# Altium PCB KlusterLab r2.0.PcbDoc (part 16 of 22)
Units mm, origin at the board's own origin, x right, y up, seen from the top; angles counter-clockwise.
Board outline 232 x 250 mm, 12 copper layers (L1 Top, L2 Inner1 (GND), L3 Inner2 (Sig), L4 Inner3 (GND), L5 Inner4 (PWR), L6 Inner5 (PWR), L7 Inner6 (PWR), L8 Inner7 (PWR), L9 Inner8 (GND), L10 Inner9 (Sig), L11 Inner10 (GND), L12 Bottom), stack 1.614 mm thick; 1169 components, 852 nets, 4679 pads, 5115 vias.
Unrouted connection lines stored in the file: 1.
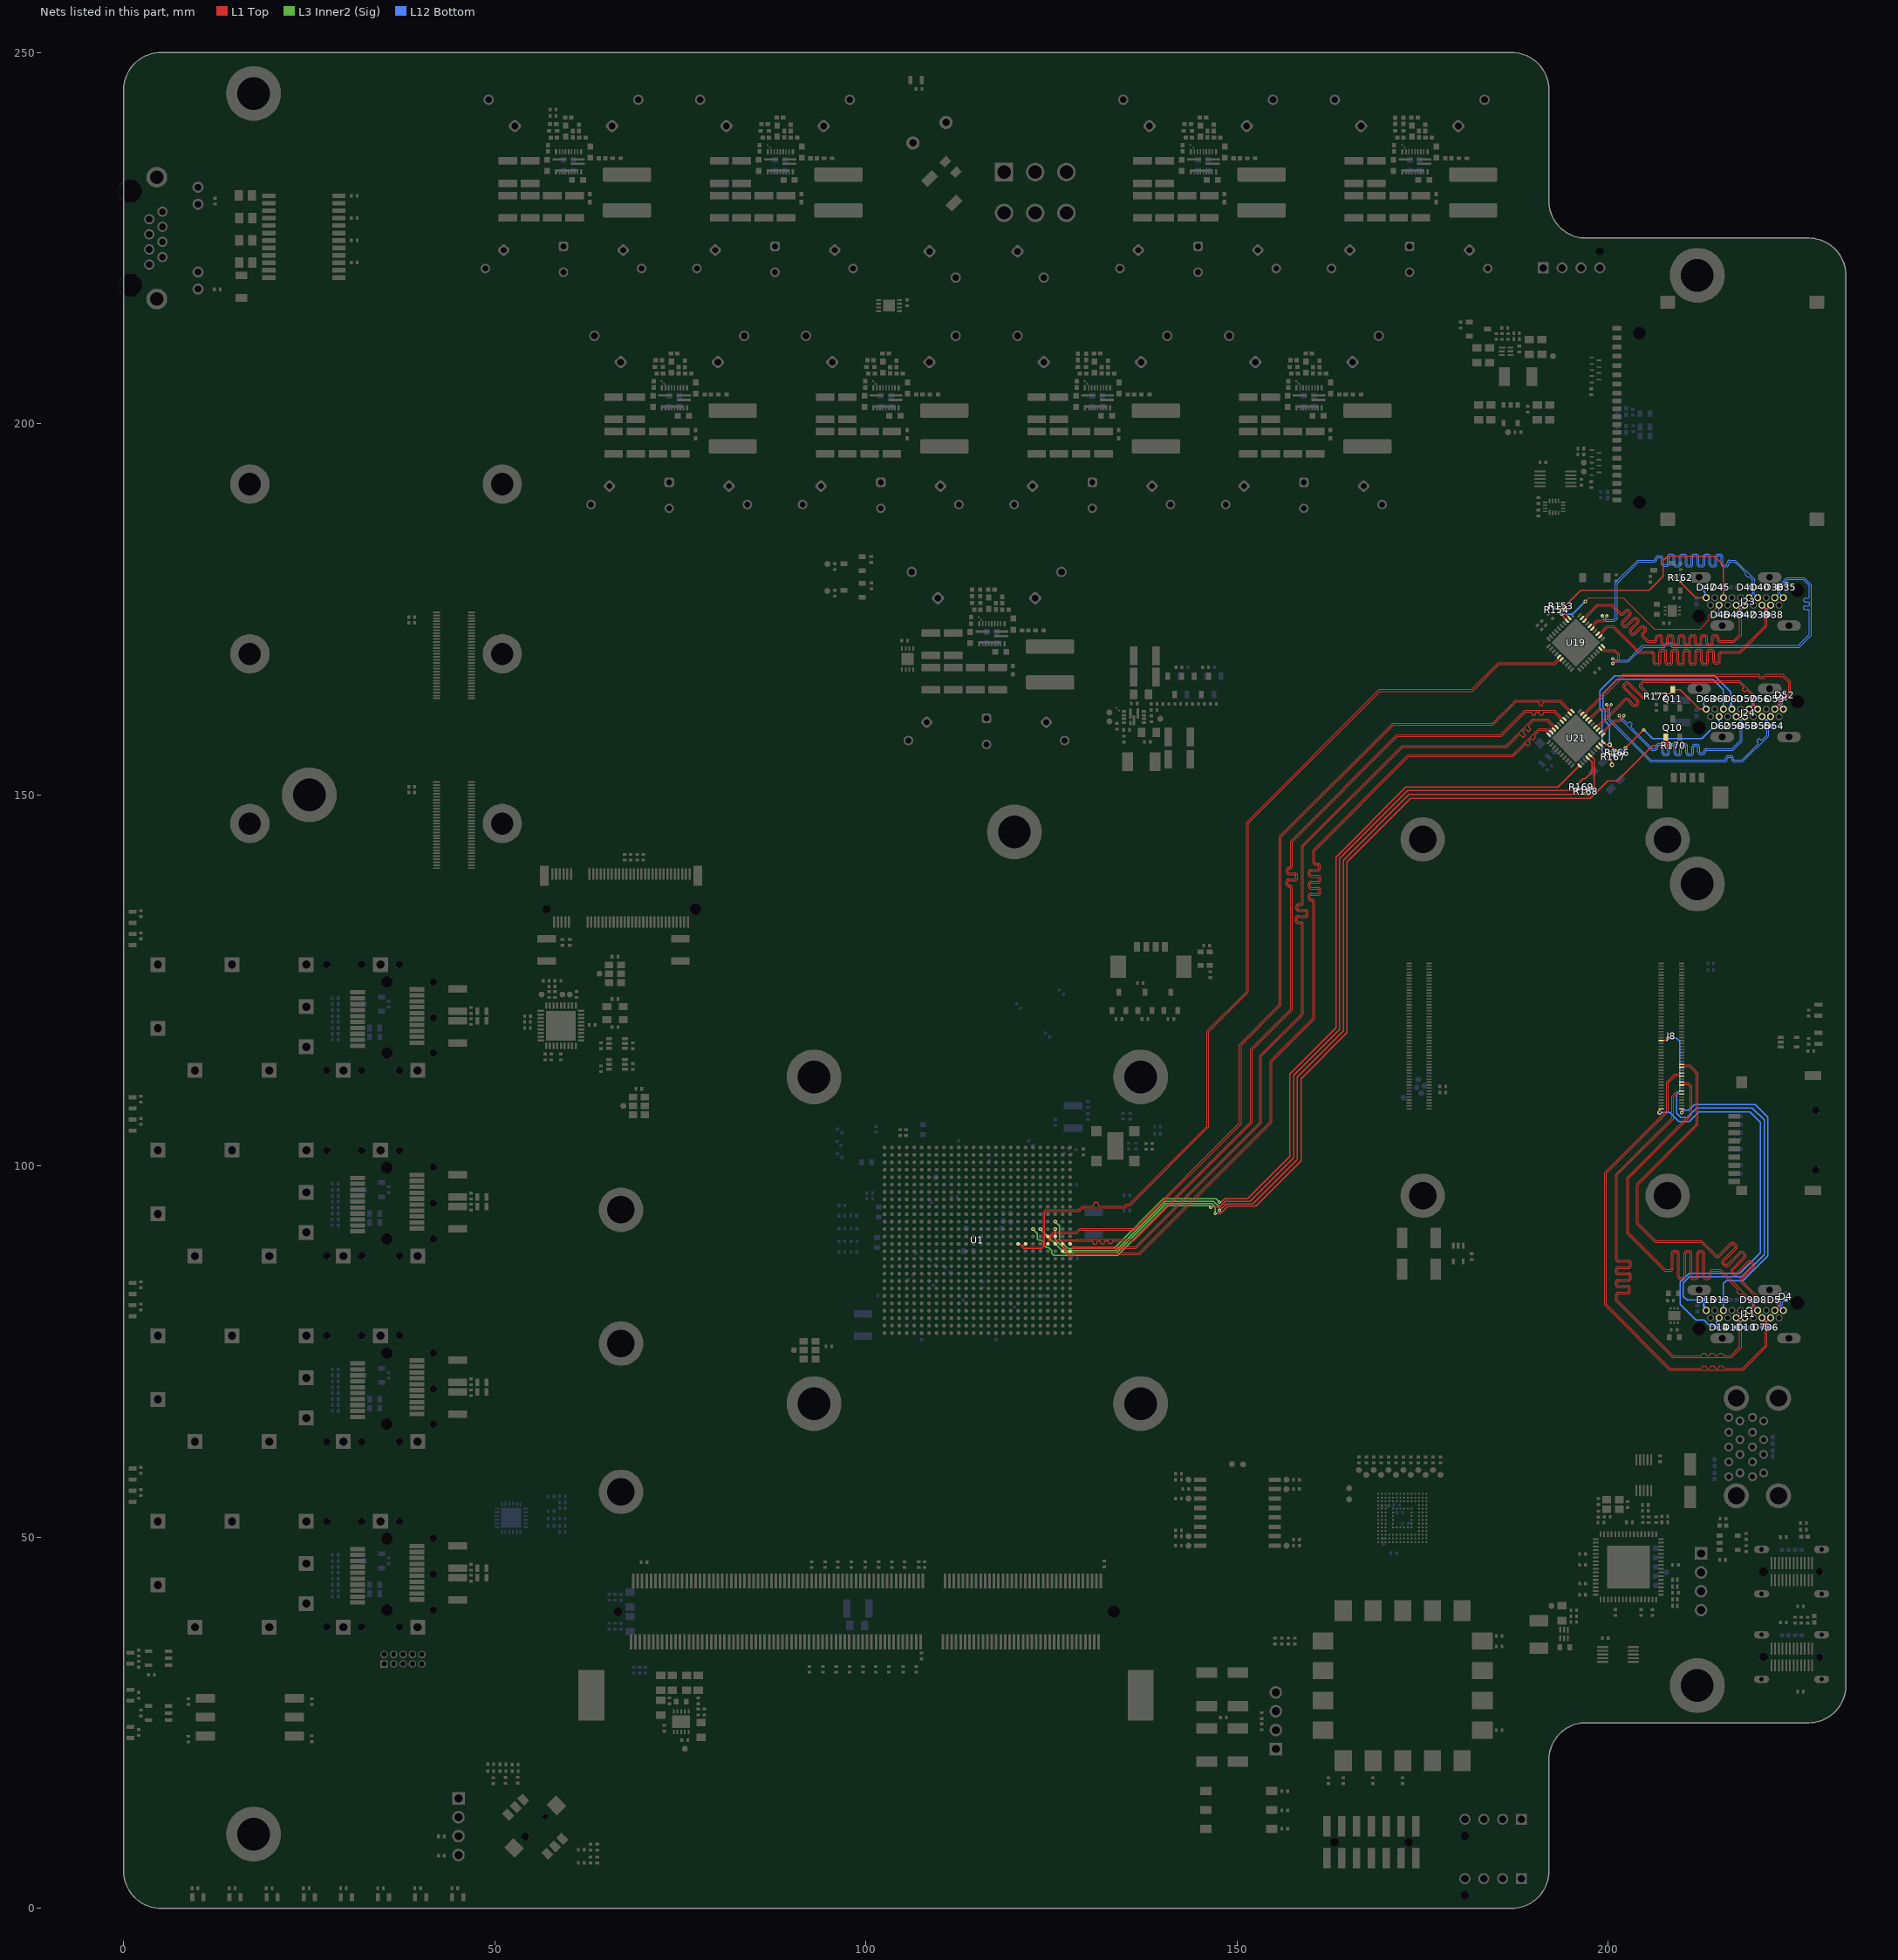
[diagram p26: the nets of this part, all layers, seen from the top]

## Via types
v1: diameter 0.45, hole 0.2, L1 Top to L12 Bottom, tented both sides, 4200 vias
v2: diameter 0.6, hole 0.3, L1 Top to L12 Bottom, tented both sides, 908 vias
v3: diameter 0.4, hole 0.2, L1 Top to L12 Bottom, tented both sides, 7 vias

## Nets (pads, with @x,y where several pads share a name; then routed paths per layer and width w, separated by ;. In a path a pad name is that pad's centre, name@x,y a point inside that pad or via, vN(x,y) a via of type N, cw(c..) or ccw(c..) an arc to the next point about the centre after c; other vN are vias at no path point) (continued)
HDMI_CM4_CLOCK_N: D11.2 J8.190 J11.12 | length 68.6
  L1 Top w0.114: J8.190@209.88,109.7 209.63,109.7 209.55,109.78 209.426,109.78 209.3,109.78 208.8,109.28 208.8,106.359 201.241,98.8 201.241,87.631 201.241,87.453 ccw(c201.394,87.453) 201.394,87.3 202.724,87.3 cw(c202.724,86.906) 203.118,86.906 203.118,86.599 cw(c202.724,86.599) 202.724,86.205 201.368,86.205 ccw(c201.368,86.051) 201.215,86.051 201.215,85.744 ccw(c201.368,85.744) 201.368,85.591 202.724,85.591 cw(c202.724,85.197) 203.118,85.197 203.118,84.89 cw(c202.724,84.89) 202.724,84.495 201.368,84.495 ccw(c201.368,84.342) 201.215,84.342 201.215,84.035 ccw(c201.368,84.035) 201.368,83.882 202.61,83.882 cw(c202.61,83.487) 203.004,83.487 203.004,83.18 cw(c202.61,83.18) 202.61,82.786 201.394,82.786 ccw(c201.394,82.633) 201.241,82.633 201.241,81.951 202.392,80.8 208.738,74.454 210.697,74.454 212.476,74.454 212.617,74.595 212.617,74.629 212.758,74.77 213.04,74.77 213.181,74.629 213.181,74.568 213.322,74.427 213.603,74.427 213.744,74.568 213.744,74.675 213.885,74.816 214.167,74.816 214.308,74.675 214.308,74.568 214.449,74.427 214.731,74.427 214.872,74.568 214.872,74.675 215.013,74.816 215.295,74.816 215.436,74.675 215.436,74.595 215.577,74.454 216.197,74.454 216.497,74.454 217.7,75.656 217.7,79.097 J11.12@217.242,79.554
  L12 Bottom w0.114: D11.2@217.222,78.254 217.441,78.472 217.524,78.472 217.591,78.539 217.591,78.824 217.713,78.947 217.713,79.083 J11.12@217.242,79.554
HDMI_CM4_CLOCK_P: D10.2 J8.188 J11.10 | length 68.6
  L1 Top w0.114: J8.188@209.88,110.1 209.63,110.1 209.55,110.02 209.326,110.02 209.2,110.02 208.559,109.379 208.559,106.459 201,98.9 201,87.631 201,87.453 ccw(c201.394,87.453) 201.394,87.059 202.724,87.059 cw(c202.724,86.906) 202.877,86.906 202.877,86.599 cw(c202.724,86.599) 202.724,86.445 201.368,86.445 ccw(c201.368,86.051) 200.974,86.051 200.974,85.744 ccw(c201.368,85.744) 201.368,85.35 202.724,85.35 cw(c202.724,85.197) 202.877,85.197 202.877,84.89 cw(c202.724,84.89) 202.724,84.736 201.368,84.736 ccw(c201.368,84.342) 200.974,84.342 200.974,84.035 ccw(c201.368,84.035) 201.368,83.641 202.61,83.641 cw(c202.61,83.487) 202.763,83.487 202.763,83.18 cw(c202.61,83.18) 202.61,83.027 201.394,83.027 ccw(c201.394,82.633) 201,82.633 201,81.851 202.051,80.8 208.638,74.213 216.597,74.213 217.94,75.556 217.94,79.097 J11.10@218.397,79.554
  L12 Bottom w0.114: D10.2@218.172,78.254 217.954,78.472 217.871,78.472 217.804,78.539 217.804,78.736 217.927,78.858 217.927,79.083 J11.10@218.397,79.554
HDMI_CM4_DATA0_N: D9.2 J8.184 J11.9 | length 68.6
  L1 Top w0.114: J8.184@209.88,110.9 210.13,110.9 210.21,110.98 210.42,110.98 210.68,110.98 211.059,110.6 211.059,107 202.5,98.441 202.5,90.911 207.598,85.813 208.125,85.813 208.302,85.813 ccw(c208.302,86.238) 208.727,86.238 208.727,88.169 cw(c208.911,88.169) 208.911,88.353 209.157,88.353 cw(c209.157,88.169) 209.341,88.169 209.341,85.157 ccw(c209.766,85.157) 209.766,84.732 210.012,84.732 ccw(c210.012,85.157) 210.436,85.157 210.436,88.169 cw(c210.621,88.169) 210.621,88.353 210.866,88.353 cw(c210.866,88.169) 211.05,88.169 211.05,85.157 ccw(c211.475,85.157) 211.475,84.732 211.721,84.732 ccw(c211.721,85.157) 212.146,85.157 212.146,88.169 cw(c212.33,88.169) 212.33,88.353 212.575,88.353 cw(c212.575,88.169) 212.759,88.169 212.759,85.157 ccw(c213.184,85.157) 213.184,84.732 213.43,84.732 ccw(c213.43,85.157) 213.855,85.157 213.855,85.629 cw(c214.039,85.629) 214.039,85.813 214.91,85.813 215.036,85.813 215.396,85.453 215.437,85.412 217.458,83.391 217.458,83.192 217.4,83.133 217.4,82.934 217.599,82.734 217.798,82.734 217.857,82.793 218.056,82.793 218.096,82.753 219.433,81.416 219.433,81.011 J11.9@218.975,80.554
  L12 Bottom w0.114: J11.9@218.975,80.554 219.446,81.024 219.446,81.22 219.478,81.252 219.478,81.669 219.411,81.736 219.341,81.736 D9.2@219.122,81.954
HDMI_CM4_DATA0_P: D8.2 J8.182 J11.7 | length 68.6
  L1 Top w0.114: J8.182@209.88,111.3 210.13,111.3 210.21,111.22 210.519,111.22 210.78,111.22 211.3,110.7 211.3,106.9 202.741,98.341 202.741,91.011 207.697,86.054 208.125,86.054 208.302,86.054 ccw(c208.302,86.238) 208.486,86.238 208.486,88.169 cw(c208.911,88.169) 208.911,88.594 209.157,88.594 cw(c209.157,88.169) 209.582,88.169 209.582,85.157 ccw(c209.766,85.157) 209.766,84.973 210.012,84.973 ccw(c210.012,85.157) 210.196,85.157 210.196,88.169 cw(c210.621,88.169) 210.621,88.594 210.866,88.594 cw(c210.866,88.169) 211.291,88.169 211.291,85.157 ccw(c211.475,85.157) 211.475,84.973 211.721,84.973 ccw(c211.721,85.157) 211.905,85.157 211.905,88.169 cw(c212.33,88.169) 212.33,88.594 212.575,88.594 cw(c212.575,88.169) 213,88.169 213,85.157 ccw(c213.184,85.157) 213.184,84.973 213.43,84.973 ccw(c213.43,85.157) 213.614,85.157 213.614,85.629 cw(c214.039,85.629) 214.039,86.054 214.91,86.054 215.136,86.054 219.673,81.516 219.673,81.011 J11.7@220.13,80.554
  L12 Bottom w0.114: D8.2@220.047,81.954 219.829,81.736 219.759,81.736 219.692,81.669 219.692,81.163 219.66,81.131 219.66,81.024 J11.7@220.13,80.554
HDMI_CM4_DATA1_N: D7.2 J8.178 J11.6 | length 68.5
  L1 Top w0.114: J8.178@209.88,112.1 209.63,112.1 209.55,112.18 209.08,112.18 208.1,111.2 208.1,107.359 199.741,99 199.741,81.351 208.338,72.754 211.794,72.754 212.523,72.754 212.664,72.895 212.664,72.957 212.805,73.098 213.087,73.098 213.228,72.957 213.228,72.868 213.369,72.727 213.651,72.727 213.792,72.868 213.792,72.957 213.933,73.098 214.214,73.098 214.355,72.957 214.355,72.868 214.496,72.727 214.778,72.727 214.919,72.868 214.919,72.957 215.06,73.098 215.342,73.098 215.483,72.957 215.483,72.895 215.624,72.754 216.245,72.754 218.097,72.754 221.165,75.821 221.165,79.097 J11.6@220.707,79.554
  L12 Bottom w0.114: J11.6@220.707,79.554 221.178,79.083 221.178,78.904 221.141,78.867 221.141,78.539 221.074,78.472 221.041,78.472 D7.2@220.822,78.254
HDMI_CM4_DATA1_P: D6.2 J8.176 J11.4 | length 68.6
  L1 Top w0.114: J8.176@209.88,112.5 209.63,112.5 209.55,112.42 208.98,112.42 207.859,111.3 207.859,107.459 199.5,99.1 199.5,81.251 208.238,72.513 218.197,72.513 221.405,75.721 221.405,79.097 J11.4@221.862,79.554
  L12 Bottom w0.114: D6.2@221.672,78.254 221.454,78.472 221.421,78.472 221.354,78.539 221.354,78.778 221.392,78.816 221.392,79.083 J11.4@221.862,79.554
HDMI_CM4_DATA2_N: D5.2 J8.172 J11.3 | length 69
  L1 Top w0.114: J8.172@209.88,113.3 210.13,113.3 210.21,113.38 210.918,113.38 211.859,112.438 211.859,105.659 203.8,97.6 203.8,92.211 206.277,89.734 212.477,89.734 214.305,87.905 214.396,87.815 214.431,87.78 ccw(c214.71,88.059) 214.988,87.78 216.64,89.432 cw(c216.748,89.323) 216.857,89.432 217.074,89.215 cw(c216.966,89.106) 217.074,88.998 215.387,87.311 ccw(c215.666,87.032) 215.388,86.753 215.603,86.537 ccw(c215.883,86.815) 216.121,86.501 216.126,86.501 217.849,88.223 cw(c217.957,88.115) 218.066,88.223 218.283,88.006 cw(c218.174,87.898) 218.283,87.789 216.596,86.102 ccw(c216.874,85.823) 216.596,85.544 216.812,85.328 ccw(c217.092,85.606) 217.33,85.292 217.335,85.292 218.983,86.941 cw(c219.092,86.832) 219.2,86.941 219.417,86.724 cw(c219.309,86.615) 219.417,86.507 217.84,84.929 ccw(c218.118,84.65) 217.84,84.371 218.263,83.948 218.353,83.858 220.457,81.754 220.886,81.754 221.11,81.53 221.248,81.53 221.472,81.754 221.692,81.754 221.919,81.527 222.051,81.527 222.278,81.754 222.498,81.754 222.911,81.34 222.911,80.929 222.536,80.554 J11.3@222.44,80.554
  L12 Bottom w0.114: J11.3@222.44,80.554 222.563,80.554 222.911,80.902 222.911,81.085 223.276,81.45 223.276,81.719 223.209,81.785 222.991,81.785 D5.2@222.822,81.954
HDMI_CM4_DATA2_P: D4.2 J8.170 J11.1 | length 69
  L1 Top w0.114: J8.170@209.88,113.7 210.13,113.7 210.21,113.62 211.018,113.62 212.1,112.538 212.1,105.559 204.041,97.5 204.041,92.311 206.376,89.975 212.576,89.975 214.476,88.076 214.566,87.986 214.601,87.95 ccw(c214.71,88.059) 214.818,87.95 216.47,89.602 cw(c216.748,89.323) 217.027,89.602 217.244,89.385 cw(c216.966,89.106) 217.28,88.868 217.28,88.863 215.557,87.141 ccw(c215.666,87.032) 215.557,86.924 215.775,86.706 ccw(c215.883,86.815) 215.991,86.707 217.678,88.393 cw(c217.957,88.115) 218.236,88.393 218.453,88.176 cw(c218.174,87.898) 218.488,87.659 218.488,87.654 216.766,85.932 ccw(c216.874,85.823) 216.766,85.715 216.983,85.498 ccw(c217.092,85.606) 217.2,85.498 ; 217.201,85.498 218.813,87.111 cw(c219.092,86.832) 219.371,87.111 219.588,86.894 cw(c219.309,86.615) 219.588,86.337 218.01,84.759 ccw(c218.118,84.65) 218.01,84.542 218.433,84.119 218.523,84.028 220.557,81.994 222.598,81.994 223.152,81.44 223.152,80.929 223.5,80.581 223.5,80.554 J11.1@223.595,80.554
  L12 Bottom w0.114: J11.1@223.595,80.554 223.473,80.554 223.125,80.902 223.125,80.996 223.49,81.361 223.49,81.719 223.556,81.786 223.679,81.786 223.897,82.004 D4.2@223.897,82.029
HDMI_CM4_HPD: D15.2 J8.153 J11.19 | length 62.8
  L1 Top w0.15: J8.153@207.15,116.9 207.7,116.9 v1(208,117.2)
  L12 Bottom w0.15: v1(208,117.2) 209.2,117.2 209.6,116.8 209.6,110.1 209.2,109.7 209.2,107.1 209.8,106.5 210.6,106.5 211.9,107.8 219.4,107.8 221,106.2 221,91.693 ; D15.2@212.872,81.954 210.597,81.954 210.097,82.454 210.097,84.254 210.897,85.054 217.955,85.054 221,88.099 221,91.761
  L12 Bottom w0.3: D15.2@212.872,81.954 212.872,81.057 213.199,80.73 J11.19@213.199,80.554
HDMI_CM4_SCL: D13.2 J8.200 J11.15 | length 43.1
  L1 Top w0.2: J8.200@209.88,107.7 209.9,107.7 v1(209.9,107.2)
  L12 Bottom w0.15: v1(209.9,107.2) 209.936,107.2 210.236,107.5 210.8,107.5 211.6,108.3 219.8,108.3 221.5,106.6 221.5,87.892 218.162,84.554 215.897,84.554 215.522,84.179 D13.2@215.522,81.954 215.516,81.947 215.516,80.56 J11.15@215.509,80.554
HDMI_CM4_SDA: D14.2 J8.199 J11.16 | length 56.3
  L1 Top w0.2: v2(206.9,107.22) J8.199@206.9,107.7
  L12 Bottom w0.15: v2(206.9,107.22) 208.28,107.22 209.5,106 210.9,106 212.2,107.3 219.1,107.3 220.5,105.9 220.5,88.306 217.748,85.554 210.897,85.554 209.697,84.354 209.697,81.354 211.797,79.254 212.897,79.254 213.697,78.454 214.372,78.454 D14.2@214.572,78.254 214.572,79.018 214.932,79.378 J11.16@214.932,79.554
HDMI_FPGA_C_RX0_N: D57.2 J24.9 U21.3 | length 37.2
  L1 Top w0.114: U21.3@198.607,158.8 198.778,158.972 198.778,159.155 201.574,161.951 202.351,162.728 cw(c202.459,162.621) 202.567,162.729 203.29,162.005 ccw(c203.568,162.283) 203.846,162.005 204.03,162.188 ccw(c203.752,162.466) 204.03,162.744 202.357,164.417 202.233,164.54 cw(c202.341,164.648) 202.233,164.756 202.417,164.939 cw(c202.524,164.831) 202.632,164.939 204.488,163.083 ccw(c204.767,163.36) 205.045,163.082 205.228,163.265 ccw(c204.95,163.543) 205.264,163.781 205.264,163.786 204.444,164.606 cw(c204.551,164.713) 204.444,164.821 204.569,164.946 204.777,165.154 210.616,165.154 210.623,165.161 217.591,165.161 217.788,164.963 217.828,164.923 218.192,164.56 cw(c218.111,164.479) 218.192,164.399 218.068,164.275 ccw(c218.14,164.202) 218.068,164.129 218.286,163.911 ccw(c218.358,163.984) 218.431,163.911 218.555,164.035 cw(c218.636,163.955) 218.716,164.035 219.292,163.459 219.332,163.419 219.433,163.319 219.433,162.011 J24.9@218.975,161.554
  L12 Bottom w0.114: J24.9@218.975,161.554 219.446,162.025 219.446,162.22 219.478,162.252 219.478,162.669 219.411,162.736 219.341,162.736 D57.2@219.122,162.954
HDMI_FPGA_C_RX0_P: D56.2 J24.7 U21.4 | length 37.2
  L1 Top w0.114: U21.4@198.253,159.154 198.425,159.326 198.608,159.326 201.404,162.122 202.181,162.899 cw(c202.459,162.621) 202.737,162.899 203.461,162.175 ccw(c203.568,162.283) 203.676,162.175 203.859,162.359 ccw(c203.752,162.466) 203.859,162.574 202.064,164.369 cw(c202.341,164.648) 202.063,164.926 202.247,165.109 cw(c202.524,164.831) 202.762,165.144 202.767,165.144 204.66,163.252 ccw(c204.767,163.36) 204.875,163.252 205.058,163.436 ccw(c204.95,163.543) 205.058,163.651 ; 205.057,163.652 204.274,164.435 cw(c204.551,164.713) 204.274,164.991 204.399,165.117 204.677,165.395 210.516,165.395 210.523,165.402 217.69,165.402 219.673,163.419 219.673,162.011 J24.7@220.13,161.554
  L12 Bottom w0.114: D56.2@220.047,162.954 219.829,162.736 219.759,162.736 219.692,162.669 219.692,162.163 219.66,162.131 219.66,162.025 J24.7@220.13,161.554
HDMI_FPGA_C_RX1_N: D55.2 J24.6 U21.6 | length 35.5
  L1 Top w0.114: U21.6@197.546,159.861 197.718,160.033 197.718,160.216 198.815,161.313 199.857,161.313 200.218,161.674 200.218,161.919 200.397,162.099 v1(200.397,162.154)
  L12 Bottom w0.114: v1(200.397,162.154) 200.397,162.099 200.218,161.919 200.218,160.234 205.761,154.691 213.194,154.691 215.677,154.691 ccw(c215.677,154.832) 215.817,154.832 215.817,154.908 cw(c216.199,154.908) 216.199,155.289 216.481,155.289 cw(c216.481,154.908) 216.863,154.908 216.863,154.832 ccw(c217.004,154.832) 217.004,154.691 217.986,154.691 218.014,154.691 220.127,156.804 220.167,156.844 ccw(c220.058,156.953) 220.167,157.062 220.08,157.149 cw(c220.189,157.258) 220.08,157.367 220.226,157.513 cw(c220.334,157.404) 220.443,157.513 220.531,157.425 ccw(c220.64,157.534) 220.749,157.426 221.062,157.738 221.377,158.054 221.377,158.969 221.31,159.036 221.241,159.036 D55.2@221.022,159.254 221.241,159.472 221.324,159.472 221.391,159.539 221.391,159.746 221.178,159.958 221.178,160.141 220.765,160.554 J24.6@220.707,160.554
HDMI_FPGA_C_RX1_P: D54.2 J24.4 U21.7 | length 35.5
  L1 Top w0.114: U21.7@197.193,160.215 197.364,160.386 197.547,160.386 198.715,161.554 199.757,161.554 199.977,161.774 199.977,161.919 199.797,162.099 v1(199.797,162.154)
  L12 Bottom w0.114: v1(199.797,162.154) 199.797,162.099 199.977,161.919 199.977,160.134 205.661,154.45 213.194,154.45 215.677,154.45 ccw(c215.677,154.832) 216.058,154.832 216.058,154.908 cw(c216.199,154.908) 216.199,155.049 216.481,155.049 cw(c216.481,154.908) 216.622,154.908 216.622,154.832 ccw(c217.004,154.832) 217.004,154.45 217.986,154.45 218.114,154.45 221.618,157.954 221.618,158.969 221.685,159.036 221.754,159.036 D54.2@221.972,159.254 221.754,159.472 221.671,159.472 221.604,159.539 221.604,159.834 221.392,160.047 221.392,160.141 221.805,160.554 J24.4@221.862,160.554
HDMI_FPGA_C_RX2_N: D53.2 J24.3 U21.8 | length 37.4
  L1 Top w0.114: U21.8@196.839,160.568 197.011,160.74 197.011,160.923 202.092,166.005 219.265,166.005 220.148,166.005 220.225,165.928 220.225,165.904 220.443,165.686 221.002,165.686 221.22,165.904 221.22,165.928 221.297,166.005 221.775,166.005 223.446,166.005 224.297,165.153 224.297,163.778 223.702,163.182 223.577,163.182 223.435,163.324 223.248,163.324 223.075,163.151 223.075,162.994 223.232,162.836 223.232,162.712 222.898,162.378 222.898,162.011 J24.3@222.44,161.554
  L12 Bottom w0.114: J24.3@222.44,161.554 222.563,161.554 222.911,161.902 222.911,162.085 223.269,162.443 223.269,162.669 223.202,162.736 223.141,162.736 D53.2@222.922,162.954
HDMI_FPGA_C_RX2_P: D52.2 J24.1 U21.9 | length 37.5
  L1 Top w0.114: U21.9@196.485,160.922 196.657,161.093 196.84,161.093 201.992,166.246 219.265,166.246 220.247,166.246 220.465,166.027 220.465,166.004 220.542,165.927 220.902,165.927 220.979,166.004 220.979,166.027 221.197,166.246 221.775,166.246 223.545,166.246 223.614,166.176 ; J24.1@223.595,161.554 223.138,162.011 223.138,162.278 224.538,163.678 224.538,165.254 223.616,166.176
  L12 Bottom w0.114: J24.1@223.595,161.554 223.473,161.554 223.125,161.902 223.125,161.997 223.482,162.354 223.482,162.719 223.549,162.786 223.579,162.786 223.797,163.004 D52.2@223.797,163.029
HDMI_FPGA_C_RXC_N: D59.2 J24.12 U21.1 | length 35.5
  L1 Top w0.114: U21.1@199.314,158.093 199.485,158.265 199.485,158.448 200.891,159.854 201.598,159.854 201.918,160.174 201.918,160.419 202.097,160.599 v1(202.097,160.654)
  L12 Bottom w0.114: v1(202.097,160.654) 202.097,160.599 201.918,160.419 201.918,160.274 202.233,159.958 202.274,159.918 202.499,159.693 ccw(c202.608,159.802) 202.717,159.693 202.804,159.78 cw(c202.913,159.671) 203.022,159.78 203.167,159.635 cw(c203.058,159.526) 203.167,159.417 203.08,159.33 ccw(c203.189,159.221) 203.08,159.112 203.443,158.749 203.483,158.708 205.938,156.254 206.084,156.254 206.261,156.254 ccw(c206.261,156.423) 206.43,156.423 206.43,156.508 cw(c206.84,156.508) 206.84,156.918 207.066,156.918 cw(c207.066,156.508) 207.476,156.508 207.476,155.687 ccw(c207.645,155.687) 207.645,155.518 207.87,155.518 ccw(c207.87,155.687) 208.04,155.687 208.04,156.508 cw(c208.45,156.508) 208.45,156.918 208.675,156.918 cw(c208.675,156.508) 209.085,156.508 209.085,155.687 ccw(c209.254,155.687) 209.254,155.518 209.48,155.518 ccw(c209.48,155.687) 209.649,155.687 209.649,156.508 cw(c210.059,156.508) 210.059,156.918 210.284,156.918 cw(c210.284,156.508) 210.694,156.508 210.694,155.687 ccw(c210.863,155.687) 210.863,155.518 211.089,155.518 ccw(c211.089,155.687) 211.258,155.687 211.258,156.412 cw(c211.668,156.412) 211.668,156.822 211.893,156.822 cw(c211.893,156.412) 212.303,156.412 212.303,155.844 ccw(c212.472,155.844) 212.472,155.675 212.698,155.675 ccw(c212.698,155.844) 212.867,155.844 cw(c213.277,155.844) 213.277,156.254 216.451,156.254 216.697,156.254 217.777,157.334 217.777,158.969 217.71,159.036 217.641,159.036 D59.2@217.422,159.254 217.641,159.472 217.724,159.472 217.791,159.539 217.791,159.884 217.713,159.961 217.713,160.144 217.303,160.554 J24.12@217.242,160.554
HDMI_FPGA_C_RXC_P: D58.2 J24.10 U21.2 | length 35.5
  L1 Top w0.114: U21.2@198.96,158.447 199.132,158.619 199.315,158.619 200.791,160.095 201.498,160.095 201.677,160.274 201.677,160.419 201.497,160.599 v1(201.497,160.654)
  L12 Bottom w0.114: v1(201.497,160.654) 201.497,160.599 201.677,160.419 201.677,160.174 205.838,156.013 206.084,156.013 206.261,156.013 ccw(c206.261,156.423) 206.671,156.423 206.671,156.508 cw(c206.84,156.508) 206.84,156.677 207.066,156.677 cw(c207.066,156.508) 207.235,156.508 207.235,155.687 ccw(c207.645,155.687) 207.645,155.277 207.87,155.277 ccw(c207.87,155.687) 208.28,155.687 208.28,156.508 cw(c208.45,156.508) 208.45,156.677 208.675,156.677 cw(c208.675,156.508) 208.844,156.508 208.844,155.687 ccw(c209.254,155.687) 209.254,155.277 209.48,155.277 ccw(c209.48,155.687) 209.89,155.687 209.89,156.508 cw(c210.059,156.508) 210.059,156.677 210.284,156.677 cw(c210.284,156.508) 210.453,156.508 210.453,155.687 ccw(c210.863,155.687) 210.863,155.277 211.089,155.277 ccw(c211.089,155.687) 211.499,155.687 211.499,156.412 cw(c211.668,156.412) 211.668,156.581 211.893,156.581 cw(c211.893,156.412) 212.063,156.412 212.063,155.844 ccw(c212.472,155.844) 212.472,155.434 212.698,155.434 ccw(c212.698,155.844) 213.108,155.844 cw(c213.277,155.844) 213.277,156.013 216.451,156.013 216.797,156.013 218.018,157.234 218.018,158.969 218.085,159.036 218.154,159.036 D58.2@218.372,159.254 218.154,159.472 218.071,159.472 218.004,159.539 218.004,159.972 217.927,160.05 217.927,160.144 218.337,160.554 J24.10@218.397,160.554
HDMI_FPGA_C_RXCEC: D60.2 J24.13 U21.38 | length 35.5
  L1 Top w0.2: U21.38@198.607,156.425 200.421,154.61 200.421,154.13 v2(200.497,154.054)
  L12 Bottom w0.15: v2(200.497,154.054) 200.433,154.118 200.433,154.579 199.197,155.815 199.197,161.354 198.897,161.654 198.897,164.054 200.897,166.054 214.297,166.054 216.472,163.879 D60.2@216.472,162.954
  L12 Bottom w0.3: D60.2@216.472,162.954 216.568,162.858 216.568,161.65 J24.13@216.664,161.554
HDMI_FPGA_C_RXHPD: D63.2 J24.19 Q11.3 R172.1 | length 9.6
  L1 Top w0.2: R172.1@206.497,163.649 208.307,163.649 208.697,164.039 Q11.3@208.697,164.189 208.732,164.154 209.697,164.154 212.297,161.554 J24.19@213.199,161.554
  L12 Bottom w0.2: D63.2@212.872,162.954 212.872,162.084 213.199,161.757 J24.19@213.199,161.554
HDMI_FPGA_C_RXSCL: D61.2 J24.15 R166.1 U21.40 | length 29.6
  L1 Top w0.2: U21.40@199.314,157.132 199.692,156.754 v2(200.187,156.754) R166.1@200.958,155.983